# Allegro board 8880F5-0827_6.brd (continued)
## Routing (per net, layer and track width the routed paths; a pad name or vN(x,y) marks a point on that pad's centre or on a via; arc(x,y) is an arc through that point) (continued)
S1_4TX_100DCH005-: length 78.1
  TOP w0.086: SITE1.138 237.68,251.23 237.6,251.31 236.07,251.31 232.55,254.84 226.27,254.84 v1(225.81,254.39)
  L28_SIGNAL w0.071: v1(164.91,257.03) 164.91,257.43 164.98,257.5 165.85,257.5 168.5,254.86 225.74,254.86 225.81,254.79 v1(225.81,254.39)
S1_4TX_100DCH006+: length 69.7
  TOP w0.086: SITE1.140 237.68,250.43 237.6,250.35 233.96,250.35 232.03,252.28 229.02,252.28 v1(228.57,252.73)
  L30_SIGNAL w0.071: v1(228.57,252.73) 228.57,252.33 228.49,252.26 211.3,252.26 210.41,253.16 184.12,253.16 180.07,249.12 180.07,244.35 179.71,243.98 178.57,243.98 178.5,244.05 v1(178.5,244.46)
S1_4TX_100DCH006-: length 69.7
  TOP w0.086: v1(228.57,251.59) 229.02,252.04 231.93,252.04 233.86,250.11 237.6,250.11 237.68,250.03 SITE1.141
  L30_SIGNAL w0.071: v1(228.57,251.59) 228.57,251.99 228.49,252.06 211.22,252.06 210.32,252.96 184.2,252.96 180.27,249.04 180.27,244.27 179.79,243.78 178.57,243.78 178.5,243.71 v1(178.5,243.31)
S1_4TX_100DCH007+: length 81
  TOP w0.086: SITE1.142 237.68,249.63 237.6,249.55 233.04,249.55 232.4,250.19 226.27,250.19 v1(225.81,250.64)
  L28_SIGNAL w0.071: v1(225.81,250.64) 225.81,250.24 225.74,250.16 224.7,250.16 221.45,253.41 182.24,253.41 174.07,245.23 167.67,245.23 166.42,243.98 164.98,243.98 164.91,244.05 v1(164.91,244.46)
S1_4TX_100DCH007-: length 81
  TOP w0.086: SITE1.143 237.68,249.23 237.6,249.31 232.94,249.31 232.3,249.95 226.27,249.95 v1(225.81,249.49)
  L28_SIGNAL w0.071: v1(164.91,243.31) 164.91,243.71 164.98,243.78 166.5,243.78 167.75,245.04 174.15,245.04 182.33,253.21 221.37,253.21 224.62,249.97 225.74,249.97 225.81,249.9 v1(225.81,249.49)
S1_AUX_100DCH002+:
  vias: v1(183.65,132.33)
S1_AUX_100DCH002-:
  vias: v1(181.11,132.33)
S1_AUXCH+: length 3.6
  TOP w0.203: v2(250.6,236.57) 250.23,236.2 SITE1.21
S1_AUXCH-: length 3.6
  TOP w0.203: v2(249.46,236.57) 249.83,236.2 SITE1.20
S1_AVDD11_RX: length 8.4
  TOP w0.231: 254.67,227.85 254.23,228.29 SITE1.31
  TOP w0.508: v1(256.77,225.75) 254.67,227.85
  vias: v1(158.96,294) v1(158.96,292.1) v1(256.77,223.71)
S1_AVDD11_XTAL: length 8.8
  TOP w0.231: 252.87,261.45 252.87,261.11 253.03,260.95 SITE1.105
  TOP w0.381: v1(253.72,264.54) 253.72,264.44 252.87,263.59 252.87,261.45
  vias: v1(201.21,277.5) v1(201.21,275.59) v1(253.72,266.58)
S1_AVDD18_RX: length 7.7
  TOP w0.231: SITE1.25 251.83,230.56 251.28,230.01
  TOP w0.508: v1(251.06,225.75) 251.06,228.68 251.28,228.9 251.28,230.01
  vias: v1(168.7,294) v1(168.7,292.1) v1(251.06,223.71)
S1_DCH041: length 2.2
  TOP w0.231: v1(237.23,243.03) 237.43,242.83 SITE1.159
S1_DCH042: length 3.7
  TOP w0.231: v1(235.83,243.03) 236.43,242.43 SITE1.160
S1_DCH043: length 5.3
  TOP w0.231: v1(234.44,243.03) 235.44,242.03 SITE1.161
S1_DCH044: length 2.2
  TOP w0.231: v1(237.23,241.03) 237.43,241.23 SITE1.163
S1_DCH045: length 5.4
  TOP w0.231: SITE1.164 243.35,240.83 v1(244.35,239.83)
S1_DCH046: length 3.9
  TOP w0.231: SITE1.165 242.35,240.43 v1(242.95,239.83)
S1_DCH047: length 2.3
  TOP w0.231: v1(241.56,239.83) 241.36,240.03 SITE1.166
S1_DCH048:
  vias: v1(229.05,276.97)
S1_DCH049:
  vias: v1(229.05,271.67)
S1_DPS_F_001:
  vias: v1(101.29,249.52) v1(101.29,247.61) v1(182.11,131.06) v1(221.73,227.84)
S1_DPS_F_002: length 10.1
  TOP w0.231: SITE1.3 243.03,230.86 241.72,229.55 240.65,229.55
  TOP w0.508: v1(237.98,225.75) 237.98,226.88 240.65,229.55
  vias: v1(185.21,294) v1(185.21,292.1) v1(236.32,222.9) v1(237.98,223.71)
S1_DPS_F_003: length 63.1
  TOP w0.231: 249.28,228.85 248.63,229.5 SITE1.17 ; SITE1.63 264.9,243.23 265.2,242.93 ; 234.63,241.63 SITE1.162 ; 267.84,245.53 266.94,246.43 SITE1.71 ; 251.69,261.16 251.69,260.65 252.23,260.11 SITE1.107 ; SITE1.37 256.63,231.59 258.57,229.66 259.73,229.66 ; SITE1.145 233.08,248.43 232.83,248.18
  TOP w0.381: v1(251.94,264.54) 251.69,264.28 251.69,261.16
  TOP w0.508: v1(271.22,241.37) 268.11,241.37 266.8,242.67 265.45,242.67 265.2,242.93 ; 234.63,241.63 234.37,241.63 232.59,243.41 v1(231.44,243.41) ; v1(249.28,225.75) 249.28,228.85 ; v1(271.22,243.91) 269.46,243.91 267.84,245.53 ; v1(231.44,247.93) 232.58,247.93 232.83,248.18 ; v1(262.36,225.75) 262.36,227.02 259.73,229.66
  vias: v1(114.29,230.12) v1(175.47,294) v1(175.47,292.1) v1(229.4,247.93) v1(229.4,243.41) v1(249.28,223.71) v1(251.54,252.61) v1(251.94,266.58) v1(262.36,223.71) v1(273.27,243.91) v1(273.27,243.91) v1(273.27,241.37) v1(273.27,241.37)
S1_DPS_F_006: length 9.6
  TOP w0.231: 268.55,246.19 267.92,246.83 SITE1.72
  TOP w0.508: 268.55,246.19 269.56,245.18 v1(271.22,245.18)
  vias: v1(168.7,277.5) v1(168.7,275.59) v1(259,246.67) v1(273.27,245.18) v1(273.27,245.18)
S1_DPS_F_007: length 19.1
  TOP w0.231: 264.37,249.01 264.15,249.23 SITE1.78 ; SITE1.97 256.23,260.71 259.65,264.13 v1(259.65,264.54)
  TOP w0.508: v1(271.22,249.5) 270.8,249.5 270.31,249.01 264.37,249.01
  BOTTOM w0.119: CC27.1 v1(273.27,249.5)
  vias: v1(185.21,277.5) v1(185.21,275.59) v1(259.65,266.58)
S1_DPS_F_009: length 8.8
  TOP w0.231: SITE1.106 252.63,260.53 252.26,260.9 252.26,261.12
  TOP w0.381: 252.26,261.12 252.26,263.82 252.83,264.39 v1(252.83,264.54)
  vias: v1(201.21,294) v1(201.21,292.1) v1(252.83,266.58) v1(253.61,267.66)
S1_DPS_F_010: length 8.6
  TOP w0.231: 251.05,261.13 251.05,260.57 250.63,260.15 SITE1.111
  TOP w0.381: 251.05,261.13 v1(251.05,264.54)
  vias: v1(191.48,294) v1(191.48,292.1) v1(250.34,253.59) v1(251.05,266.58)
S1_DPS_F_011: length 17.6
  TOP w0.231: SITE1.119 247.43,257.79 247.64,258.01 ; v1(231.44,253.69) 232.01,253.69 234.87,250.83 SITE1.139
  TOP w0.508: 247.64,258.01 247.64,264.47 v1(247.57,264.54)
  vias: v1(175.47,277.5) v1(175.47,275.59) v1(229.4,253.69) v1(247.57,266.58)
S1_DPS_F_012: length 8
  TOP w0.231: 232.2,248.83 SITE1.144
  TOP w0.508: v1(231.44,249.2) 231.81,248.83 232.2,248.83
  vias: v1(158.96,277.5) v1(158.96,275.59) v1(229.4,249.2)
S1_DPS_F_013:
  vias: v1(89.53,207.41) v1(89.77,221.18) v1(96.02,215.5) v1(96.12,229.1) v1(96.42,249.57) v1(96.42,247.66) v1(97.27,241.05) v1(97.27,233.43) v1(98.56,215.5) v1(98.66,229.1) v1(101.1,215.5) v1(101.1,203.31) v1(101.2,229.1) v1(101.2,216.91) v1(103.64,203.31) v1(104.64,215.5) v1(104.74,229.1) v1(104.75,216.86) v1(122.12,241.1) v1(126.75,233.43) v1(126.75,225.81)
S1_ISP00+: length 59.5
  TOP w0.086: SITE1.73 263.98,247.23 264.06,247.31 269.31,247.31 270.29,246.33 273.35,246.33 v1(273.81,245.88)
  L30_SIGNAL w0.071: v1(273.81,245.88) 273.81,246.28 273.74,246.35 269.7,246.35 262.91,253.14 262.91,262.67 265.64,265.4 265.64,266.73 267.67,268.76 267.67,271.97 265.91,273.73 265.91,275.4 266.7,276.2 269.97,276.2 270.04,276.27 v1(270.04,277.62)
  BOTTOM w0.119: v1(270.04,277.62) K43.7
S1_ISP00-: length 58.9
  TOP w0.086: v1(273.81,247.02) 273.35,246.57 270.39,246.57 269.41,247.55 264.06,247.55 263.98,247.63 SITE1.74
  L30_SIGNAL w0.071: v1(273.81,247.02) 273.81,246.62 273.74,246.55 269.78,246.55 263.11,253.23 263.11,262.59 265.84,265.32 265.84,266.65 267.87,268.68 267.87,272.05 266.1,273.81 266.1,275.32 266.78,276 269.97,276 270.04,275.93 v1(270.04,274.58)
  BOTTOM w0.119: v1(270.04,274.58) K43.2
S1_ISP14+: length 65.2
  TOP w0.086: v1(251.93,269.9) 251.48,269.45 251.48,267.92 250.15,266.59 250.15,257.86 250.23,257.78 SITE1.112
  L28_SIGNAL w0.071: v1(265.64,280.1) 265.64,276.27 265.72,276.2 274.89,276.2 276.73,278.03 276.73,280.72 275.32,282.12 262.08,282.12 251.46,271.5 251.46,269.97 251.53,269.9 v1(251.93,269.9)
S1_ISP14-: length 66.2
  TOP w0.086: v1(250.79,269.9) 251.24,269.45 251.24,268.02 249.91,266.69 249.91,257.86 249.83,257.78 SITE1.113
  L28_SIGNAL w0.071: v1(250.79,269.9) 251.19,269.9 251.26,269.97 251.26,271.58 262,282.32 275.4,282.32 276.93,280.8 276.93,277.95 274.97,276 265.72,276 265.64,275.93 v1(265.64,272.1)
S1_ISP_1LOCK:
  vias: v1(229.91,245.39)
S1_M_DPS_F_001: length 45.2
  TOP w0.231: SITE1.147 233.7,247.63 233.24,247.18 ; 260.57,230.37 258.54,230.37 257.43,231.49 SITE1.39 ; 250.63,230.54 SITE1.22 ; 266.49,243.63 SITE1.64 ; SITE1.104 253.43,263.21
  TOP w0.381: v1(254.61,264.54) 254.61,264.39 253.43,263.21
  TOP w0.508: 260.57,230.37 263.63,227.31 v1(263.63,225.75) ; v1(231.44,246.66) 232.72,246.66 233.24,247.18 ; v1(250.17,225.75) 250.17,228.96 250.38,229.17 250.38,230.28 250.63,230.54 ; v1(271.22,242.64) 268.48,242.64 267.49,243.63 266.49,243.63
  vias: v1(118.32,292.74) v1(118.32,290.83) v1(229.4,246.66) v1(250.17,223.71) v1(254.61,266.58) v1(263.63,223.71) v1(273.27,242.64) v1(273.27,242.64)
S1_PS9G_DCH001: length 3.7
  TOP w0.231: v1(249.63,229.63) 249.03,230.23 SITE1.18
S1_PS9G_DCH002: length 2.2
  TOP w0.231: v1(249.63,231.03) 249.43,231.23 SITE1.19
S1_PS9G_DCH003: length 2.2
  TOP w0.231: SITE1.24 251.43,231.23 v1(251.23,231.03)
S1_PS9G_DCH004: length 2.2
  TOP w0.231: SITE1.40 257.83,235.03 v1(257.63,235.23)
S1_PS9G_DCH005: length 2.2
  TOP w0.231: SITE1.45 264.23,236.03 v1(264.43,235.83)
S1_PS9G_DCH006: length 3.7
  TOP w0.231: v1(265.83,235.83) 265.23,236.43 SITE1.46
S1_PS9G_DCH007: length 5.3
  TOP w0.231: v1(267.23,235.83) 266.22,236.83 SITE1.47
S1_PS9G_DCH009: length 2.2
  TOP w0.231: v1(264.43,237.43) 264.23,237.63 SITE1.49
S1_PS9G_DCH010: length 3.7
  TOP w0.231: v1(265.83,237.43) 265.23,238.03 SITE1.50
S1_PS9G_DCH011: length 5.3
  TOP w0.231: v1(267.23,237.43) 266.22,238.43 SITE1.51
S1_PS9G_DCH014: length 3.7
  TOP w0.231: v1(265.83,239.03) 265.23,239.63 SITE1.54
S1_PS9G_DCH015: length 5.3
  TOP w0.231: v1(267.23,239.03) 266.22,240.03 SITE1.55
S1_PS9G_DCH022: length 5.3
  TOP w0.231: v1(267.23,245.03) 267.05,245.03 266.05,244.03 SITE1.65
S1_PS9G_DCH023: length 2.5
  TOP w0.231: SITE1.66 264.03,244.43 264.43,244.83 v1(264.43,245.03)
S1_PS9G_DCH027: length 3.9
  TOP w0.231: SITE1.70 264.83,246.03 v1(265.83,245.03)
S1_PS9G_DCH028: length 2.3
  TOP w0.231: SITE1.77 260.6,248.83 v1(260.23,248.46)
S1_PS9G_DCH029: length 2.2
  TOP w0.119: SITE1.118 v1(247.83,253.92)
S1_PS9G_DCH030: length 9.2
  TOP w0.231: SITE1.148 237.62,247.23 237.3,246.91 234.16,246.91 232.63,245.39 v1(230.91,245.39)
S1_PS9G_DCH035: length 5.3
  TOP w0.231: SITE1.153 235.44,245.23 v1(234.44,246.23)
S1_PS9G_DCH036: length 2.2
  TOP w0.231: SITE1.154 241.23,244.83 v1(241.43,245.03)
S1_PS9G_DCH037: length 2.2
  TOP w0.231: v1(237.23,244.63) 237.43,244.43 SITE1.155
S1_PS9G_DCH038: length 3.7
  TOP w0.231: SITE1.156 236.43,244.03 v1(235.83,244.63)
S1_PS9G_DCH039: length 5.3
  TOP w0.231: SITE1.157 235.44,243.63 v1(234.44,244.63)
S1_PS9G_DCH040: length 2.2
  TOP w0.231: SITE1.158 241.23,243.23 v1(241.43,243.43)
S1_RLY_001:
  vias: v1(330.51,288.86) v1(343.98,288.86)
S1_RLY_003:
  vias: v1(293.31,280.1) v1(317.05,288.86)
S1_RLY_005:
  vias: v1(290.64,288.86) v1(303.84,288.86)
S1_RLY_007:
  vias: v1(277.17,288.86)
S1_RLY_008:
  vias: v1(250.5,288.86) v1(263.71,288.86)
S1_RLY_016:
  vias: v1(184.47,264.1) v1(244.8,296.61)
S1_RLY_018:
  vias: v1(232.25,276.97)
S1_RLY_021:
  vias: v1(167.7,264.1) v1(200.98,264.1)
S1_RLY_022:
  vias: v1(184.47,236.67) v1(201.23,236.67)
S1_RLY_023:
  vias: v1(167.7,222.95)
S1_RLY_025:
  vias: v1(184.47,250.38) v1(201.23,250.38)
S1_RLY_026:
  vias: v1(167.7,236.67)
S1_RLY_030:
  vias: v1(167.7,250.38)
S1_RLY_043:
  vias: v1(273.24,280.1)
S1_SCAN_DCH008: length 2.2
  TOP w0.231: SITE1.48 260.43,237.23 v1(260.23,237.03)
S1_SCAN_DCH012: length 2.2
  TOP w0.231: v1(260.23,238.63) 260.43,238.83 SITE1.52
S1_SCAN_DCH013: length 2.2
  TOP w0.231: SITE1.53 264.23,239.23 v1(264.43,239.03)
S1_SCAN_DCH016: length 2.2
  TOP w0.231: v1(260.23,240.23) 260.43,240.43 SITE1.56
S1_SCAN_DCH017: length 2.2
  TOP w0.231: SITE1.57 264.23,240.83 v1(264.43,240.63)
S1_SCAN_DCH018: length 3.7
  TOP w0.231: SITE1.58 265.23,241.23 v1(265.83,240.63)
S1_SCAN_DCH019: length 5.3
  TOP w0.231: v1(267.23,240.63) 266.22,241.63 SITE1.59
S1_SCAN_DCH020: length 2.2
  TOP w0.231: v1(260.23,241.83) 260.43,242.03 SITE1.60
S1_SCAN_DCH021: length 2.2
  TOP w0.231: v1(264.43,242.23) 264.23,242.43 SITE1.61
S1_SCAN_DCH024: length 2.2
  TOP w0.231: SITE1.67 260.43,244.83 v1(260.23,244.63)
S1_SCAN_DCH025: length 3.7
  TOP w0.231: SITE1.68 259.43,245.23 v1(258.83,244.63)
S1_SCAN_DCH026: length 5.3
  TOP w0.231: SITE1.69 258.44,245.63 v1(257.44,244.63)
S1_SCAN_DCH031: length 3.7
  TOP w0.231: v1(242.83,247.43) 242.23,246.83 SITE1.149
S1_SCAN_DCH032: length 5.3
  TOP w0.231: SITE1.150 243.22,246.43 v1(244.22,247.43)
S1_SCAN_DCH033: length 2.2
  TOP w0.231: v1(237.23,246.23) 237.43,246.03 SITE1.151
S1_SCAN_DCH034: length 3.7
  TOP w0.231: v1(235.83,246.23) 236.43,245.63 SITE1.152
S1_SPI_1_CSN:
  vias: v1(104.64,203.31)
S1_SPI_1_SCK:
  vias: v1(99.56,215.5)
S1_SPI_1_SDI:
  vias: v1(123.44,216.92)
S1_SPI_1_SDO:
  vias: v1(123.69,224.54)
S1_SPI_2_CSN:
  vias: v1(103.75,216.86)
S1_SPI_2_SCK:
  vias: v1(99.66,229.1)
S1_SPI_2_SDI:
  vias: v1(128.01,216.92)
S1_SPI_2_SDO:
  vias: v1(127.75,224.54)
S1_SPI_11_SDI:
  vias: v1(102.1,203.31) v1(122.44,216.92)
S1_SPI_11_SDO:
  vias: v1(97.02,215.5) v1(122.69,224.54)
S1_SPI_22_SDI:
  vias: v1(102.2,216.91) v1(127.01,216.92)
S1_SPI_22_SDO:
  vias: v1(97.12,229.1) v1(126.75,224.54)
S1_SPI_CSN: length 2.2
  TOP w0.231: v1(259.23,231.03) 259.03,231.23 SITE1.43
S1_SPI_SCK: length 2.2
  TOP w0.231: v1(258.83,235.23) 258.63,235.03 SITE1.42
S1_SPI_SDI: length 3.7
  TOP w0.231: SITE1.44 259.43,236.03 v1(258.83,236.63)
S1_SPI_SDO: length 3.7
  TOP w0.231: SITE1.41 258.23,236.03 v1(257.63,236.63)
S1_XTAL_IN: length 2.5
  TOP w0.119: SITE1.109 251.43,258.31 v1(251.63,258.51)
  vias: v1(226.85,271.67)
S1_XTAL_OUT: length 3.7
  TOP w0.231: v1(251.63,259.63) 251.03,259.03 SITE1.110
  vias: v1(226.85,276.97)
S2_1AUX+:
  vias: v1(301.73,229.11)
S2_1AUX-:
  vias: v1(298.45,229.11)
S2_1TX_100DCH001+: length 80.3
  L32_SIGNAL w0.071: v1(388.49,259.59) 388.49,260.94 388.56,261.01 415.5,261.01 419.64,265.15 419.64,274.05 414.56,279.13 414.56,301.37 415.51,302.31 416.29,302.31 416.92,301.68 416.92,299.98 416.85,299.91 v1(416.45,299.91)
  BOTTOM w0.119: v1(388.49,259.59) UNK2K43.6
S2_1TX_100DCH001-: length 80.6
  L32_SIGNAL w0.071: v1(388.49,262.63) 388.49,261.28 388.56,261.21 415.42,261.21 419.44,265.23 419.44,273.97 414.37,279.05 414.37,301.46 415.42,302.51 416.37,302.51 417.12,301.76 417.12,299.98 417.19,299.91 v1(417.6,299.91)
  BOTTOM w0.119: v1(388.49,262.63) UNK2K43.3
S2_1TX_100DCH002+: length 124.4
  TOP w0.086: SITE2.75 343.98,248.03 344.06,248.11 357.07,248.11 v1(357.52,247.66)
  L32_SIGNAL w0.071: v1(416.45,286.32) 416.85,286.32 416.92,286.39 416.92,287.72 417.48,288.28 419.21,288.28 422.39,285.1 422.39,251.8 418.72,248.13 357.59,248.13 357.52,248.06 v1(357.52,247.66)
S2_1TX_100DCH002-: length 123.4
  TOP w0.086: v1(357.52,248.8) 357.07,248.35 344.06,248.35 343.98,248.43 SITE2.76
  L32_SIGNAL w0.071: v1(357.52,248.8) 357.52,248.4 357.59,248.33 418.64,248.33 422.19,251.88 422.19,285.01 419.12,288.08 417.56,288.08 417.12,287.64 417.12,286.39 417.19,286.32 v1(417.6,286.32)
S2_1TX_100DCH003+: length 41.1
  TOP w0.086: SITE2.79 343.98,249.63 344.06,249.71 349.05,249.71 349.94,250.59 353.35,250.59 v1(353.81,250.14)
  L30_SIGNAL w0.071: v1(375.3,251.9) 375.71,251.9 375.78,251.83 375.78,250.79 375.25,250.27 357.27,250.27 354.83,252.72 353.21,252.72 352.61,252.12 352.61,251.03 353.02,250.61 353.73,250.61 353.81,250.54 v1(353.81,250.14)
S2_1TX_100DCH003-: length 40.8
  TOP w0.086: v1(353.81,251.28) 353.35,250.83 349.84,250.83 348.95,249.95 344.06,249.95 343.98,250.03 SITE2.80
  L30_SIGNAL w0.071: v1(353.81,251.28) 353.81,250.88 353.73,250.81 353.1,250.81 352.81,251.11 352.81,252.03 353.29,252.52 354.74,252.52 357.19,250.07 375.34,250.07 375.97,250.71 375.97,251.83 376.05,251.9 v1(376.45,251.9)
S2_1TX_100DCH004+: length 42
  TOP w0.086: v1(357.52,252.08) 357.07,252.53 350.02,252.53 347.99,250.51 344.06,250.51 343.98,250.43 SITE2.81
  L28_SIGNAL w0.071: v1(357.52,252.08) 357.52,252.48 357.59,252.55 359.25,252.55 367.43,244.37 371.06,244.37 375.78,239.65 375.78,238.39 375.71,238.32 v1(375.3,238.32)
S2_1TX_100DCH004-: length 42.4
  TOP w0.086: v1(357.52,253.22) 357.07,252.77 349.92,252.77 347.89,250.75 344.06,250.75 343.98,250.83 SITE2.82
  L28_SIGNAL w0.071: v1(357.52,253.22) 357.52,252.82 357.59,252.75 359.33,252.75 367.52,244.57 371.14,244.57 375.97,239.73 375.97,238.39 376.05,238.32 v1(376.45,238.32)
S2_1TX_100DCH005+: length 74.1
  TOP w0.086: v1(353.81,253.77) 353.35,254.22 349.53,254.22 346.61,251.31 344.06,251.31 343.98,251.23 SITE2.83
  L30_SIGNAL w0.071: v1(353.81,253.77) 353.81,254.17 353.73,254.24 352.63,254.24 352.2,254.68 352.2,255.63 352.82,256.26 355.08,256.26 356.36,254.98 362.51,254.98 368.35,260.82 376.09,260.82 381.51,266.24 401.96,266.24 402.95,267.24 402.95,268.09 402.88,268.16 v1(402.48,268.16)
S2_1TX_100DCH005-: length 73.7
  TOP w0.086: SITE2.84 343.98,251.63 344.06,251.55 346.51,251.55 349.43,254.46 353.35,254.46 v1(353.81,254.92)
  L30_SIGNAL w0.071: v1(353.81,254.92) 353.81,254.51 353.73,254.44 352.71,254.44 352.4,254.76 352.4,255.55 352.91,256.06 355,256.06 356.27,254.78 362.59,254.78 368.43,260.62 376.17,260.62 381.6,266.04 402.04,266.04 403.15,267.15 403.15,268.09 403.22,268.16 v1(403.63,268.16)
S2_1TX_100DCH006+: length 69.9
  TOP w0.086: v1(357.52,256.03) 357.07,256.49 350.12,256.49 345.74,252.11 344.06,252.11 343.98,252.03 SITE2.85
  L28_SIGNAL w0.071: v1(357.52,256.03) 357.52,256.44 357.59,256.51 363.12,256.51 369.79,249.84 379.87,249.84 386.04,256.02 402.36,256.02 402.95,255.43 402.95,254.64 402.88,254.57 v1(402.48,254.57)
S2_1TX_100DCH006-: length 70.3
  TOP w0.086: SITE2.86 343.98,252.43 344.06,252.35 345.64,252.35 350.02,256.73 357.07,256.73 v1(357.52,257.18)
  L28_SIGNAL w0.071: v1(403.63,254.57) 403.22,254.57 403.15,254.64 403.15,255.51 402.45,256.22 385.96,256.22 379.78,250.04 369.87,250.04 363.21,256.7 357.59,256.7 357.52,256.78 v1(357.52,257.18)
S2_1TX_100DCH007+: length 45.6
  TOP w0.086: SITE2.87 343.98,252.83 344.06,252.91 344.96,252.91 350.67,258.62 353.35,258.62 v1(353.81,258.17)
  L30_SIGNAL w0.071: v1(353.81,258.17) 353.81,258.57 353.73,258.64 352.88,258.64 352.52,258.29 352.52,257.63 352.95,257.2 355.09,257.2 360.43,262.54 371.7,262.54 375.78,266.62 375.78,267.83 375.71,267.91 v1(375.3,267.91)
S2_1TX_100DCH007-: length 46.6
  TOP w0.086: v1(353.81,259.31) 353.35,258.86 350.57,258.86 344.86,253.15 344.06,253.15 343.98,253.23 SITE2.88
  L30_SIGNAL w0.071: v1(353.81,259.31) 353.81,258.91 353.73,258.84 352.8,258.84 352.33,258.37 352.33,257.54 352.87,257 355.17,257 360.52,262.34 371.78,262.34 375.97,266.54 375.97,267.83 376.05,267.91 v1(376.45,267.91)
S2_2AUX+:
  vias: v1(290.31,132.08) v1(290.31,130.81) v1(300.73,229.11) v1(300.73,227.84)
S2_2AUX-:
  vias: v1(286.77,130.81) v1(287.77,132.08) v1(299.45,229.11) v1(299.45,227.84)
S2_2TX_100DCH001+: length 57.4
  TOP w0.086: SITE2.89 339.43,257.78 339.35,257.86 339.35,258.44 341.74,260.83 343.95,260.83 345.31,262.18 345.31,265.07 345.87,265.63 345.87,268.15 v1(346.32,268.6)
  L28_SIGNAL w0.071: v1(375.3,254.32) 375.71,254.32 375.78,254.39 375.78,255.75 372.34,259.18 364.47,259.18 352.23,271.42 347.23,271.42 345.85,270.04 345.85,268.68 345.92,268.6 v1(346.32,268.6)
S2_2TX_100DCH001-: length 58.1
  TOP w0.086: v1(345.18,268.6) 345.63,268.15 345.63,265.73 345.07,265.17 345.07,262.28 343.85,261.07 341.64,261.07 339.11,258.53 339.11,257.86 339.03,257.78 SITE2.90
  L28_SIGNAL w0.071: v1(376.45,254.32) 376.05,254.32 375.97,254.39 375.97,255.83 372.42,259.38 364.55,259.38 352.31,271.62 347.15,271.62 345.65,270.13 345.65,268.68 345.58,268.6 v1(345.18,268.6)
S2_2TX_100DCH002+: length 98.3
  TOP w0.086: v1(344.67,266.34) 344.22,265.88 344.22,262.77 343.16,261.72 341.27,261.72 338.55,259 338.55,257.86 338.63,257.78 SITE2.91
  L30_SIGNAL w0.071: v1(344.67,266.34) 344.27,266.34 344.2,266.26 344.2,265.76 344.35,265.61 345.26,265.61 345.81,266.16 345.81,266.9 350.57,271.66 382.97,271.66 386.56,268.06 397.21,268.06 400.94,271.8 407.12,271.8 413.45,265.47 415.22,265.47 416.67,266.92 416.67,268.09 416.6,268.16 v1(416.2,268.16)
S2_2TX_100DCH002-: length 98.9
  TOP w0.086: v1(343.52,266.34) 343.98,265.88 343.98,262.87 343.07,261.96 341.17,261.96 338.31,259.1 338.31,257.86 338.23,257.78 SITE2.92
  L30_SIGNAL w0.071: v1(417.34,268.16) 416.94,268.16 416.87,268.09 416.87,266.84 415.31,265.27 413.36,265.27 407.04,271.6 401.02,271.6 397.29,267.87 386.48,267.87 382.89,271.46 350.65,271.46 346.01,266.82 346.01,266.08 345.34,265.41 344.27,265.41 344,265.68 344,266.26 343.93,266.34 v1(343.52,266.34)
S2_2TX_100DCH003+: length 98
  TOP w0.086: v1(343.07,268.6) 342.61,268.15 342.61,264.3 337.75,259.44 337.75,257.86 337.83,257.78 SITE2.93
  L32_SIGNAL w0.071: v1(343.07,268.6) 342.66,268.6 342.59,268.68 342.59,269.68 343.28,270.37 359.86,270.37 374.3,255.93 416.02,255.93 416.67,255.28 416.67,254.64 416.6,254.57 v1(416.2,254.57)
S2_2TX_100DCH003-: length 98.6
  TOP w0.086: SITE2.94 337.43,257.78 337.51,257.86 337.51,259.54 342.37,264.4 342.37,268.15 v1(341.92,268.6)
  L32_SIGNAL w0.071: v1(417.34,254.57) 416.94,254.57 416.87,254.64 416.87,255.37 416.1,256.13 374.38,256.13 359.94,270.57 343.2,270.57 342.39,269.76 342.39,268.68 342.32,268.6 v1(341.92,268.6)
S2_2TX_100DCH004+: length 121
  TOP w0.086: SITE2.95 337.03,257.78 336.95,257.86 336.95,259.72 340.9,263.67 340.9,266.64 v1(341.36,267.09)
  L28_SIGNAL w0.071: v1(341.36,267.09) 340.96,267.09 340.88,267.02 340.88,262.22 346.24,256.87 354.86,256.87 357.17,259.17 362.97,259.17 371.17,250.97 378.8,250.97 384.26,256.42 384.26,265.28 387.1,268.12 395.55,268.12 405.05,277.61 411.88,277.61 416.92,282.65 416.92,284.09 416.85,284.16 v1(416.45,284.16)
S2_2TX_100DCH004-: length 121.6
  TOP w0.086: SITE2.96 336.63,257.78 336.71,257.86 336.71,259.82 340.67,263.77 340.67,266.64 v1(340.21,267.09)
  L28_SIGNAL w0.071: v1(340.21,267.09) 340.62,267.09 340.69,267.02 340.69,262.14 346.16,256.67 354.95,256.67 357.25,258.97 362.89,258.97 371.09,250.77 378.89,250.77 384.45,256.34 384.45,265.2 387.18,267.92 395.64,267.92 405.13,277.41 411.96,277.41 417.12,282.57 417.12,284.09 417.19,284.16 v1(417.6,284.16)
S2_2TX_100DCH005+: length 101.8
  TOP w0.086: SITE2.98 335.83,257.78 335.75,257.86 335.75,261.37 338.54,264.15 338.54,268.38 v1(338.99,268.83)
  L32_SIGNAL w0.071: v1(338.99,268.83) 338.59,268.83 338.52,268.9 338.52,270.71 339.45,271.65 363.24,271.65 368.58,266.31 406.61,266.31 412.74,272.44 416.17,272.44 416.92,271.69 416.92,270.65 416.85,270.57 v1(416.45,270.57)
S2_2TX_100DCH005-: length 102.4
  TOP w0.086: SITE2.99 335.43,257.78 335.51,257.86 335.51,261.47 338.3,264.25 338.3,268.38 v1(337.84,268.83)
  L32_SIGNAL w0.071: v1(337.84,268.83) 338.25,268.83 338.32,268.9 338.32,270.79 339.37,271.84 363.33,271.84 368.66,266.51 406.53,266.51 412.66,272.64 416.25,272.64 417.12,271.77 417.12,270.65 417.19,270.57 v1(417.6,270.57)
S2_2TX_100DCH006+: length 100.7
  TOP w0.086: v1(337.1,271.07) 336.65,270.62 336.65,268.9 337.04,268.51 337.04,263.68 334.95,261.59 334.95,257.86 335.03,257.78 SITE2.100
  L28_SIGNAL w0.071: v1(337.1,271.07) 336.7,271.07 336.63,271 336.63,270.66 336.94,270.35 337.83,270.35 342.54,275.06 352.38,275.06 364.74,262.69 377.78,262.69 390.14,275.06 395.62,275.06 402.95,282.39 402.95,283.84 402.88,283.91 v1(402.48,283.91)
S2_2TX_100DCH006-: length 101.3
  TOP w0.086: v1(335.96,271.07) 336.41,270.62 336.41,268.8 336.8,268.41 336.8,263.78 334.71,261.69 334.71,257.86 334.63,257.78 SITE2.101
  L28_SIGNAL w0.071: v1(403.63,283.91) 403.22,283.91 403.15,283.84 403.15,282.31 395.7,274.86 390.23,274.86 377.86,262.49 364.66,262.49 352.29,274.86 342.62,274.86 337.91,270.15 336.86,270.15 336.43,270.58 336.43,271 336.36,271.07 v1(335.96,271.07)
S2_2TX_100DCH007+: length 92.2
  TOP w0.086: SITE2.102 334.23,257.78 334.15,257.86 334.15,261.95 335.98,263.78 335.98,268.13 334.78,269.33 v1(334.78,269.97)
  L32_SIGNAL w0.071: v1(334.78,269.97) 334.5,269.69 334.4,269.69 333.58,270.51 333.58,272.53 335.88,274.84 399.72,274.84 402.95,271.6 402.95,270.39 402.88,270.32 v1(402.48,270.32)
S2_2TX_100DCH007-: length 92.8
  TOP w0.086: v1(333.98,269.17) 334.61,269.17 335.74,268.03 335.74,263.88 333.91,262.05 333.91,257.86 333.83,257.78 SITE2.103
  L32_SIGNAL w0.071: v1(403.63,270.32) 403.22,270.32 403.15,270.39 403.15,271.69 399.81,275.04 335.8,275.04 333.38,272.62 333.38,270.43 334.26,269.55 334.26,269.45 v1(333.98,269.17)
S2_3TX_100DCH002+: length 85.9
  TOP w0.086: SITE2.114 329.43,257.78 329.35,257.86 329.35,267.66 v1(329.8,268.11)
  L30_SIGNAL w0.071: v1(389.02,286.32) 389.42,286.32 389.49,286.39 389.49,287.64 388.77,288.36 386.38,288.36 373.56,275.54 332.2,275.54 329.33,272.67 329.33,268.18 329.4,268.11 v1(329.8,268.11)
S2_3TX_100DCH002-: length 86.6
  TOP w0.086: v1(328.66,268.11) 329.11,267.66 329.11,257.86 329.03,257.78 SITE2.115
  L30_SIGNAL w0.071: v1(328.66,268.11) 329.06,268.11 329.13,268.18 329.13,272.75 332.12,275.74 373.48,275.74 386.3,288.56 388.85,288.56 389.69,287.72 389.69,286.39 389.76,286.32 v1(390.16,286.32)
S2_3TX_100DCH003+: length 105.8
  TOP w0.086: SITE2.116 328.63,257.78 328.55,257.86 328.55,266.82 326.96,268.41 326.96,270.72 v1(327.41,271.17)
  L28_SIGNAL w0.071: v1(327.41,271.17) 327.01,271.17 326.94,271.1 326.94,270.72 326.58,270.36 325.43,270.36 324.98,270.81 324.98,273.27 328.07,276.36 352.72,276.36 365.19,263.89 377.3,263.89 388.13,274.72 388.13,281.59 389.49,282.95 389.49,283.84 389.42,283.91 v1(389.02,283.91)
S2_3TX_100DCH003-: length 105.2
  TOP w0.086: SITE2.117 328.23,257.78 328.31,257.86 328.31,266.72 326.72,268.31 326.72,270.72 v1(326.26,271.17)
  L28_SIGNAL w0.071: v1(326.26,271.17) 326.67,271.17 326.74,271.1 326.74,270.81 326.49,270.56 325.51,270.56 325.18,270.89 325.18,273.18 328.15,276.16 352.64,276.16 365.1,263.69 377.38,263.69 388.33,274.64 388.33,281.51 389.69,282.87 389.69,283.84 389.76,283.91 v1(390.16,283.91)
S2_3TX_100DCH004+: length 121.8
  TOP w0.086: v1(325.36,269.08) 324.91,268.63 324.91,266.21 326.95,264.17 326.95,257.86 327.03,257.78 SITE2.120
  L30_SIGNAL w0.071: v1(325.36,269.08) 324.96,269.08 324.89,269.16 324.89,273.22 331.17,279.49 354.08,279.49 356.23,277.35 370.69,277.35 373.78,280.44 373.78,288.32 376.64,291.17 390.78,291.17 392.8,289.15 392.8,275.04 389.49,271.73 389.49,270.39 389.42,270.32 v1(389.02,270.32)
S2_3TX_100DCH004-: length 122.5
  TOP w0.086: v1(324.22,269.08) 324.67,268.63 324.67,266.11 326.71,264.07 326.71,257.86 326.63,257.78 SITE2.121
  L30_SIGNAL w0.071: v1(390.16,270.32) 389.76,270.32 389.69,270.39 389.69,271.65 393,274.96 393,289.23 390.86,291.37 376.56,291.37 373.58,288.4 373.58,280.52 370.61,277.55 356.31,277.55 354.17,279.69 331.09,279.69 324.69,273.3 324.69,269.16 324.62,269.08 v1(324.22,269.08)
S2_3TX_100DCH005+: length 77
  TOP w0.086: SITE2.122 326.23,257.78 326.15,257.86 326.15,260.53 324.65,262.03 324.65,263.24 v1(325.11,263.69)
  L32_SIGNAL w0.071: v1(325.11,263.69) 324.7,263.69 324.63,263.62 324.63,262.65 324.13,262.14 322.94,262.14 322.46,262.62 322.46,264.48 334.44,276.46 369.74,276.46 376.03,282.74 376.03,283.84 375.96,283.91 v1(375.56,283.91)
S2_3TX_100DCH005-: length 76.4
  TOP w0.086: SITE2.123 325.83,257.78 325.91,257.86 325.91,260.44 324.42,261.93 324.42,263.24 v1(323.96,263.69)
  L32_SIGNAL w0.071: v1(323.96,263.69) 324.36,263.69 324.44,263.62 324.44,262.73 324.05,262.34 323.03,262.34 322.66,262.7 322.66,264.4 334.52,276.26 369.83,276.26 376.23,282.66 376.23,283.84 376.3,283.91 v1(376.7,283.91)
S2_3TX_100DCH006+: length 78.7
  TOP w0.086: v1(322.12,269.08) 321.66,268.63 321.66,266.13 322.87,264.93 322.87,262.13 325.35,259.65 325.35,257.86 325.43,257.78 SITE2.124
  L28_SIGNAL w0.071: v1(375.56,270.32) 375.96,270.32 376.03,270.39 376.03,271.63 370.48,277.18 326.72,277.18 321.64,272.1 321.64,269.16 321.71,269.08 v1(322.12,269.08)
S2_3TX_100DCH006-: length 79.3
  TOP w0.086: SITE2.125 325.03,257.78 325.11,257.86 325.11,259.55 322.63,262.03 322.63,264.83 321.43,266.04 321.43,268.63 v1(320.97,269.08)
  L28_SIGNAL w0.071: v1(376.7,270.32) 376.3,270.32 376.23,270.39 376.23,271.71 370.57,277.38 326.64,277.38 321.45,272.19 321.45,269.16 321.37,269.08 v1(320.97,269.08)
S2_3TX_100DCH007+: length 121.5
  TOP w0.086: SITE2.126 324.63,257.78 324.55,257.86 324.55,258.72 321.08,262.2 321.08,263.24 v1(321.53,263.69)
  L32_SIGNAL w0.071: v1(402.48,299.91) 402.88,299.91 402.95,299.98 402.95,301.42 402.46,301.92 383.57,301.92 379.96,298.31 362.98,298.31 353.92,289.25 353.92,281.27 351.62,278.97 325.46,278.97 319.99,273.51 319.99,267.73 321.06,266.66 321.06,263.76 321.13,263.69 v1(321.53,263.69)
S2_3TX_100DCH007-: length 122.1
  TOP w0.086: v1(320.39,263.69) 320.84,263.24 320.84,262.1 324.31,258.63 324.31,257.86 324.23,257.78 SITE2.127
  L32_SIGNAL w0.071: v1(320.39,263.69) 320.79,263.69 320.86,263.76 320.86,266.58 319.79,267.65 319.79,273.59 325.37,279.17 351.54,279.17 353.72,281.35 353.72,289.34 362.9,298.51 379.88,298.51 383.48,302.12 402.54,302.12 403.15,301.51 403.15,299.98 403.22,299.91 v1(403.63,299.91)
S2_4TX_100DCH001+: length 118.4
  TOP w0.086: SITE2.129 323.43,257.78 323.35,257.86 323.35,258.57 319.3,262.62 319.3,267.2 318.34,268.16 318.34,268.63 v1(318.79,269.08)
  L30_SIGNAL w0.071: v1(318.79,269.08) 318.39,269.08 318.32,269.16 318.32,276.39 325.43,283.5 330.06,283.5 339.32,292.76 398.1,292.76 402.95,287.9 402.95,286.39 402.88,286.32 v1(402.48,286.32)
S2_4TX_100DCH001-: length 119.1
  TOP w0.086: v1(317.64,269.08) 318.1,268.63 318.1,268.06 319.06,267.1 319.06,262.52 323.11,258.47 323.11,257.86 323.03,257.78 SITE2.130
  L30_SIGNAL w0.071: v1(403.63,286.32) 403.22,286.32 403.15,286.39 403.15,287.98 398.18,292.96 339.24,292.96 329.98,283.7 325.35,283.7 318.12,276.47 318.12,269.16 318.05,269.08 v1(317.64,269.08)
S2_4TX_100DCH002+: length 100.8
  TOP w0.086: v1(317.56,265.42) 317.11,264.97 317.11,263.7 322.55,258.26 322.55,257.86 322.63,257.78 SITE2.131
  L32_SIGNAL w0.071: v1(375.56,299.91) 375.96,299.91 376.03,299.98 376.03,301.23 374.57,302.69 365.11,302.69 352.68,290.26 352.68,282.98 350.03,280.33 320.62,280.33 315.97,275.67 315.97,268.58 317.09,267.46 317.09,265.49 317.16,265.42 v1(317.56,265.42)
S2_4TX_100DCH002-: length 101.4
  TOP w0.086: v1(316.42,265.42) 316.87,264.97 316.87,263.6 322.31,258.16 322.31,257.86 322.23,257.78 SITE2.132
  L32_SIGNAL w0.071: v1(376.7,299.91) 376.3,299.91 376.23,299.98 376.23,301.31 374.66,302.89 365.03,302.89 352.48,290.34 352.48,283.06 349.95,280.52 320.54,280.52 315.77,275.76 315.77,268.5 316.89,267.38 316.89,265.49 316.82,265.42 v1(316.42,265.42)
S2_4TX_100DCH003+: length 112.1
  TOP w0.086: v1(305.81,259.77) 306.27,259.32 311.06,259.32 317.23,253.15 317.6,253.15 317.68,253.23 SITE2.133
  L28_SIGNAL w0.071: v1(305.81,259.77) 305.81,259.37 305.74,259.3 304.38,259.3 303.92,259.76 303.92,264.9 321.07,282.05 341.09,282.05 352.41,293.37 370.54,293.37 376.03,287.88 376.03,286.39 375.96,286.32 v1(375.56,286.32)
S2_4TX_100DCH003-: length 113.1
  TOP w0.086: SITE2.134 317.68,252.83 317.6,252.91 317.13,252.91 310.96,259.08 306.27,259.08 v1(305.81,258.63)
  L28_SIGNAL w0.071: v1(376.7,286.32) 376.3,286.32 376.23,286.39 376.23,287.96 370.62,293.57 352.33,293.57 341.01,282.25 320.99,282.25 303.72,264.98 303.72,259.67 304.29,259.1 305.74,259.1 305.81,259.03 v1(305.81,258.63)
S2_4TX_100DCH004+: length 102.3
  TOP w0.086: v1(308.57,257.65) 309.02,257.2 311.68,257.2 316.53,252.35 317.6,252.35 317.68,252.43 SITE2.135
  L30_SIGNAL w0.071: v1(389.02,251.9) 389.42,251.9 389.49,251.83 389.49,250.52 385.38,246.41 357.48,246.41 355.37,248.51 349.49,248.51 340.83,257.18 308.64,257.18 308.57,257.25 v1(308.57,257.65)
S2_4TX_100DCH004-: length 102.7
  TOP w0.086: v1(308.57,256.51) 309.02,256.96 311.58,256.96 316.43,252.11 317.6,252.11 317.68,252.03 SITE2.136
  L30_SIGNAL w0.071: v1(308.57,256.51) 308.57,256.91 308.64,256.98 340.75,256.98 349.41,248.32 355.29,248.32 357.39,246.21 385.46,246.21 389.69,250.44 389.69,251.83 389.76,251.9 v1(390.16,251.9)
S2_4TX_100DCH005+: length 124
  TOP w0.086: v1(305.81,255.53) 306.27,255.08 312.64,255.08 316.17,251.55 317.6,251.55 317.68,251.63 SITE2.137
  L28_SIGNAL w0.071: v1(305.81,255.53) 305.81,255.13 305.74,255.06 304.33,255.06 303.86,255.52 303.86,256.41 304.57,257.11 305.98,257.11 307.44,258.57 310.34,258.57 313.31,255.6 341.17,255.6 349.91,246.86 349.91,239.76 355.83,233.84 378.29,233.84 384.65,240.2 388.57,240.2 389.49,239.28 389.49,238.39 389.42,238.32 v1(389.02,238.32)
S2_4TX_100DCH005-: length 125
  TOP w0.086: v1(305.81,254.39) 306.27,254.84 312.55,254.84 316.07,251.31 317.6,251.31 317.68,251.23 SITE2.138
  L28_SIGNAL w0.071: v1(305.81,254.39) 305.81,254.79 305.74,254.86 304.24,254.86 303.67,255.43 303.67,256.49 304.49,257.31 305.9,257.31 307.35,258.77 310.42,258.77 313.39,255.8 341.25,255.8 350.11,246.94 350.11,239.85 355.91,234.04 378.21,234.04 384.56,240.4 388.65,240.4 389.69,239.36 389.69,238.39 389.76,238.32 v1(390.16,238.32)
S2_4TX_100DCH006+: length 119.8
  TOP w0.086: v1(308.57,252.73) 309.02,252.28 312.03,252.28 313.96,250.35 317.6,250.35 317.68,250.43 SITE2.140
  L30_SIGNAL w0.071: v1(308.57,252.73) 308.57,252.33 308.64,252.26 327.32,252.26 329.12,250.47 343.87,250.47 349.19,245.15 349.19,241.98 351.08,240.09 358.64,240.09 361.2,242.64 395.29,242.64 402.95,250.31 402.95,251.83 402.88,251.9 v1(402.48,251.9)
S2_4TX_100DCH006-: length 120.1
  TOP w0.086: SITE2.141 317.68,250.03 317.6,250.11 313.86,250.11 311.93,252.04 309.02,252.04 v1(308.57,251.59)
  L30_SIGNAL w0.071: v1(308.57,251.59) 308.57,251.99 308.64,252.06 327.24,252.06 329.03,250.27 343.79,250.27 348.99,245.07 348.99,241.9 351,239.89 358.72,239.89 361.28,242.45 395.37,242.45 403.15,250.23 403.15,251.83 403.22,251.9 v1(403.63,251.9)
S2_4TX_100DCH007+: length 136.8
  TOP w0.086: v1(305.81,250.64) 306.27,250.19 312.4,250.19 313.04,249.55 317.6,249.55 317.68,249.63 SITE2.142
  L28_SIGNAL w0.071: v1(305.81,250.64) 305.81,250.24 305.74,250.16 304.48,250.16 303.84,249.53 303.84,248.55 304.39,248 306.66,248 309.21,250.55 344.27,250.55 348.89,245.93 348.89,238.56 356.78,230.66 390.52,230.66 400.38,240.52 402.09,240.52 402.95,239.65 402.95,238.39 402.88,238.32 v1(402.48,238.32)
S2_4TX_100DCH007-: length 136.5
  TOP w0.086: SITE2.143 317.68,249.23 317.6,249.31 312.94,249.31 312.3,249.95 306.27,249.95 v1(305.81,249.49)
  L28_SIGNAL w0.071: v1(403.63,238.32) 403.22,238.32 403.15,238.39 403.15,239.74 402.17,240.72 400.29,240.72 390.44,230.86 356.87,230.86 349.09,238.64 349.09,246.01 344.36,250.75 309.13,250.75 306.58,248.2 304.48,248.2 304.04,248.63 304.04,249.45 304.56,249.97 305.74,249.97 305.81,249.9 v1(305.81,249.49)
S2_AUX_100DCH002+:
  vias: v1(289.31,132.08)
S2_AUX_100DCH002-:
  vias: v1(286.77,132.08)
S2_AUXCH+: length 3.6
  TOP w0.203: v2(330.6,236.57) 330.23,236.2 SITE2.21
S2_AUXCH-: length 3.6
  TOP w0.203: v2(329.46,236.57) 329.83,236.2 SITE2.20
S2_AVDD11_RX: length 8.4
  TOP w0.231: 334.67,227.85 334.23,228.29 SITE2.31
  TOP w0.508: v1(336.77,225.75) 334.67,227.85
  vias: v1(336.77,223.71) v1(452.33,278.76) v1(452.33,276.86)
S2_AVDD11_XTAL: length 8.8
  TOP w0.231: SITE2.105 333.03,260.95 332.87,261.11 332.87,261.45
  TOP w0.381: 332.87,261.45 332.87,263.59 333.72,264.44 v1(333.72,264.54)
  vias: v1(333.72,266.58) v1(511.6,295.27) v1(511.6,293.37)
S2_AVDD18_RX: length 7.7
  TOP w0.231: SITE2.25 331.83,230.56 331.28,230.01
  TOP w0.508: 331.28,230.01 331.28,228.9 331.06,228.68 v1(331.06,225.75)
  vias: v1(331.06,223.71) v1(462.07,278.76) v1(462.07,276.86)
S2_DCH041: length 2.2
  TOP w0.231: v1(317.23,243.03) 317.43,242.83 SITE2.159
S2_DCH042: length 3.7
  TOP w0.231: SITE2.160 316.43,242.43 v1(315.83,243.03)
S2_DCH043: length 5.3
  TOP w0.231: v1(314.43,243.03) 315.44,242.03 SITE2.161
S2_DCH044: length 2.2
  TOP w0.231: v1(317.23,241.03) 317.43,241.23 SITE2.163
S2_DCH045: length 5.4
  TOP w0.231: v1(324.35,239.83) 323.35,240.83 SITE2.164
S2_DCH046: length 3.9
  TOP w0.231: v1(322.95,239.83) 322.35,240.43 SITE2.165
S2_DCH047: length 2.3
  TOP w0.231: v1(321.56,239.83) 321.36,240.03 SITE2.166
S2_DCH048:
  vias: v1(309.05,276.97)
S2_DCH049:
  vias: v1(309.05,271.67)
S2_DPS_F_001:
  vias: v1(92.04,249.81) v1(92.04,247.9) v1(287.77,130.81) v1(301.73,227.84)
S2_DPS_F_002: length 10.1
  TOP w0.231: 320.65,229.55 321.72,229.55 323.03,230.86 SITE2.3
  TOP w0.508: 320.65,229.55 317.98,226.88 v1(317.98,225.75)
  vias: v1(316.32,222.9) v1(317.98,223.71) v1(462.07,295.27) v1(462.07,293.37)
S2_DPS_F_003: length 63.1
  TOP w0.231: 347.84,245.53 346.94,246.43 SITE2.71 ; 345.2,242.93 344.9,243.23 SITE2.63 ; SITE2.145 313.08,248.43 312.83,248.18 ; SITE2.37 336.63,231.59 338.57,229.66 339.73,229.66 ; 314.63,241.63 SITE2.162 ; SITE2.107 332.23,260.11 331.69,260.65 331.69,261.16 ; SITE2.17 328.63,229.5 329.28,228.85
  TOP w0.381: v1(331.94,264.54) 331.69,264.28 331.69,261.16
  TOP w0.508: v1(351.22,243.91) 349.45,243.91 347.84,245.53 ; v1(311.44,247.93) 312.58,247.93 312.83,248.18 ; v1(311.44,243.41) 312.59,243.41 314.37,241.63 314.63,241.63 ; v1(342.36,225.75) 342.36,227.02 339.73,229.66 ; v1(329.28,225.75) 329.28,228.85 ; 345.2,242.93 345.45,242.67 346.8,242.67 348.11,241.37 v1(351.22,241.37)
  vias: v1(309.4,247.93) v1(309.4,243.41) v1(329.28,223.71) v1(331.54,252.61) v1(331.94,266.58) v1(342.36,223.71) v1(353.27,243.91) v1(353.27,241.37) v1(452.33,295.27) v1(452.33,293.37) v1(464.57,235.71)
S2_DPS_F_006: length 9.6
  TOP w0.231: SITE2.72 347.92,246.83 348.55,246.19
  TOP w0.508: v1(351.22,245.18) 349.56,245.18 348.55,246.19
  vias: v1(339,246.67) v1(353.27,245.18) v1(478.58,278.76) v1(478.58,276.86)
S2_DPS_F_007: length 19
  TOP w0.231: v1(339.65,264.54) 339.65,264.13 336.23,260.71 SITE2.97 ; 344.37,249.01 344.15,249.23 SITE2.78
  TOP w0.508: v1(351.22,249.5) 350.8,249.5 350.31,249.01 344.37,249.01
  vias: v1(339.65,266.58) v1(353.27,249.5) v1(495.09,278.76) v1(495.09,276.86)
S2_DPS_F_009: length 8.8
  TOP w0.231: SITE2.106 332.63,260.53 332.26,260.9 332.26,261.12
  TOP w0.381: 332.26,261.12 332.26,263.82 332.83,264.39 v1(332.83,264.54)
  vias: v1(332.83,266.58) v1(333.61,267.66) v1(478.58,295.27) v1(478.58,293.37)
S2_DPS_F_010: length 8.6
  TOP w0.231: 331.05,261.13 331.05,260.57 330.63,260.15 SITE2.111
  TOP w0.381: 331.05,261.13 v1(331.05,264.54)
  vias: v1(330.34,253.59) v1(331.05,266.58) v1(468.84,295.27) v1(468.84,293.37)
S2_DPS_F_011: length 17.6
  TOP w0.231: SITE2.139 314.87,250.83 312.01,253.69 v1(311.44,253.69) ; SITE2.119 327.43,257.79 327.64,258.01
  TOP w0.508: v1(327.57,264.54) 327.64,264.47 327.64,258.01
  vias: v1(309.4,253.69) v1(327.57,266.58) v1(485.35,278.76) v1(485.35,276.86)
S2_DPS_F_012: length 8
  TOP w0.231: 312.2,248.83 SITE2.144
  TOP w0.508: 312.2,248.83 311.81,248.83 v1(311.44,249.2)
  vias: v1(309.4,249.2) v1(468.84,278.76) v1(468.84,276.86)
S2_DPS_F_013:
  vias: v1(87.17,249.86) v1(87.17,247.96) v1(452.62,232.41) v1(452.62,224.79) v1(457.25,233.88) v1(474.87,217.23) v1(474.89,204.98) v1(474.99,218.59) v1(475.99,230.78) v1(478.43,217.17) v1(478.43,204.98) v1(478.53,230.78) v1(478.53,218.59) v1(480.97,204.98) v1(481.07,218.59) v1(482.1,241.3) v1(482.1,233.68) v1(483.51,204.98) v1(483.61,218.59) v1(489.86,212.91) v1(490.1,226.67)
S2_ISP00+: length 86.6
  TOP w0.086: v1(353.81,245.88) 353.35,246.33 350.29,246.33 349.31,247.31 344.06,247.31 343.98,247.23 SITE2.73
  L30_SIGNAL w0.071: v1(386.29,259.59) 386.29,260.94 386.22,261.01 381.57,261.01 379.76,259.2 379.76,257.34 381.79,255.3 391.12,255.3 392.89,253.53 392.89,249.22 387.91,244.23 357.27,244.23 355.16,246.35 353.88,246.35 353.81,246.28 v1(353.81,245.88)
  BOTTOM w0.119: v1(386.29,259.59) UNK2K43.7
S2_ISP00-: length 86.6
  TOP w0.086: v1(353.81,247.02) 353.35,246.57 350.39,246.57 349.41,247.55 344.06,247.55 343.98,247.63 SITE2.74
  L30_SIGNAL w0.071: v1(386.29,262.63) 386.29,261.28 386.22,261.21 381.49,261.21 379.56,259.28 379.56,257.25 381.71,255.11 391.04,255.11 392.69,253.45 392.69,249.3 387.82,244.43 357.35,244.43 355.24,246.55 353.88,246.55 353.81,246.62 v1(353.81,247.02)
  BOTTOM w0.119: v1(386.29,262.63) UNK2K43.2
S2_ISP14+: length 137.8
  TOP w0.086: v1(331.93,269.9) 331.48,269.45 331.48,267.92 330.15,266.59 330.15,257.86 330.23,257.78 SITE2.112
  L28_SIGNAL w0.071: v1(331.93,269.9) 331.53,269.9 331.46,269.83 331.46,268.27 330.18,266.99 330.18,263.09 334.92,258.35 342.04,258.35 347.72,252.67 354.79,252.67 356.71,254.59 360.18,254.59 367.29,247.47 404.65,247.47 407.37,250.19 407.37,257.24 403.6,261.01 390.76,261.01 390.69,260.94 v1(390.69,257.11)
S2_ISP14-: length 138.8
  TOP w0.086: v1(330.79,269.9) 331.24,269.45 331.24,268.02 329.91,266.69 329.91,257.86 329.83,257.78 SITE2.113
  L28_SIGNAL w0.071: v1(330.79,269.9) 331.19,269.9 331.26,269.83 331.26,268.35 329.98,267.07 329.98,263.01 334.84,258.16 341.95,258.16 347.64,252.47 354.88,252.47 356.79,254.39 360.09,254.39 367.21,247.27 404.73,247.27 407.57,250.11 407.57,257.33 403.68,261.21 390.76,261.21 390.69,261.28 v1(390.69,265.11)
S2_ISP_1LOCK:
  vias: v1(309.91,245.39)
S2_M_DPS_F_001: length 45.2
  TOP w0.231: 340.57,230.37 338.54,230.37 337.43,231.49 SITE2.39 ; SITE2.104 333.43,263.21 ; 313.24,247.18 313.7,247.63 SITE2.147 ; 330.63,230.54 SITE2.22 ; 346.49,243.63 SITE2.64
  TOP w0.381: v1(334.61,264.54) 334.61,264.39 333.43,263.21
  TOP w0.508: v1(343.63,225.75) 343.63,227.31 340.57,230.37 ; v1(351.22,242.64) 348.48,242.64 347.49,243.63 346.49,243.63 ; v1(330.17,225.75) 330.17,228.96 330.38,229.17 330.38,230.28 330.63,230.54 ; 313.24,247.18 312.72,246.66 v1(311.44,246.66)
  vias: v1(309.4,246.66) v1(330.17,223.71) v1(334.61,266.58) v1(343.63,223.71) v1(353.27,242.64) v1(485.35,295.27) v1(485.35,293.37)
S2_PS9G_DCH001: length 3.7
  TOP w0.231: v1(329.63,229.63) 329.03,230.23 SITE2.18
S2_PS9G_DCH002: length 2.2
  TOP w0.231: v1(329.63,231.03) 329.43,231.23 SITE2.19
S2_PS9G_DCH003: length 2.2
  TOP w0.231: SITE2.24 331.43,231.23 v1(331.23,231.03)
S2_PS9G_DCH004: length 2.2
  TOP w0.231: v1(337.63,235.23) 337.83,235.03 SITE2.40
S2_PS9G_DCH005: length 2.2
  TOP w0.231: SITE2.45 344.23,236.03 v1(344.43,235.83)
S2_PS9G_DCH006: length 3.7
  TOP w0.231: v1(345.83,235.83) 345.23,236.43 SITE2.46
S2_PS9G_DCH007: length 5.3
  TOP w0.231: v1(347.22,235.83) 346.22,236.83 SITE2.47
S2_PS9G_DCH009: length 2.2
  TOP w0.231: v1(344.43,237.43) 344.23,237.63 SITE2.49
S2_PS9G_DCH010: length 3.7
  TOP w0.231: v1(345.83,237.43) 345.23,238.03 SITE2.50
S2_PS9G_DCH011: length 5.3
  TOP w0.231: SITE2.51 346.22,238.43 v1(347.22,237.43)
S2_PS9G_DCH014: length 3.7
  TOP w0.231: v1(345.83,239.03) 345.23,239.63 SITE2.54
S2_PS9G_DCH015: length 5.3
  TOP w0.231: v1(347.22,239.03) 346.22,240.03 SITE2.55
S2_PS9G_DCH022: length 5.3
  TOP w0.231: SITE2.65 346.05,244.03 347.05,245.03 v1(347.22,245.03)
S2_PS9G_DCH023: length 2.5
  TOP w0.231: SITE2.66 344.03,244.43 344.43,244.83 v1(344.43,245.03)
S2_PS9G_DCH027: length 3.9
  TOP w0.231: v1(345.83,245.03) 344.83,246.03 SITE2.70
S2_PS9G_DCH028: length 2.3
  TOP w0.231: v1(340.23,248.46) 340.6,248.83 SITE2.77
S2_PS9G_DCH029: length 2.2
  TOP w0.119: SITE2.118 v1(327.83,253.92)
S2_PS9G_DCH030: length 9.2
  TOP w0.231: v1(310.91,245.39) 312.63,245.39 314.16,246.91 317.3,246.91 317.62,247.23 SITE2.148
S2_PS9G_DCH035: length 5.3
  TOP w0.231: v1(314.43,246.23) 315.44,245.23 SITE2.153
S2_PS9G_DCH036: length 2.2
  TOP w0.231: v1(321.43,245.03) 321.23,244.83 SITE2.154
S2_PS9G_DCH037: length 2.2
  TOP w0.231: SITE2.155 317.43,244.43 v1(317.23,244.63)
S2_PS9G_DCH038: length 3.7
  TOP w0.231: SITE2.156 316.43,244.03 v1(315.83,244.63)
S2_PS9G_DCH039: length 5.3
  TOP w0.231: SITE2.157 315.44,243.63 v1(314.43,244.63)
S2_PS9G_DCH040: length 2.2
  TOP w0.231: SITE2.158 321.23,243.23 v1(321.43,243.43)
S2_RLY_001:
  vias: v1(369.38,241.11) v1(410.52,289.12)
S2_RLY_003:
  vias: v1(369.38,257.11) v1(396.55,257.37)
S2_RLY_005:
  vias: v1(410.27,257.37) v1(410.52,273.37)
S2_RLY_007:
  vias: v1(396.55,273.11)
S2_RLY_008:
  vias: v1(383.09,289.12) v1(383.09,273.11)
S2_RLY_016:
  vias: v1(369.63,273.11) v1(396.55,289.12)
S2_RLY_018:
  vias: v1(312.25,276.97)
S2_RLY_021:
  vias: v1(369.63,289.12) v1(383.09,241.11)
S2_RLY_022:
  vias: v1(389.7,209.36) v1(396.55,225.11)
S2_RLY_023:
  vias: v1(403.41,209.61)
S2_RLY_025:
  vias: v1(383.09,224.85) v1(410.52,241.11)
S2_RLY_026:
  vias: v1(369.38,224.6)
S2_RLY_030:
  vias: v1(396.55,241.11)
S2_RLY_043:
  vias: v1(383.09,257.11)
S2_SCAN_DCH008: length 2.2
  TOP w0.231: v1(340.23,237.03) 340.43,237.23 SITE2.48
S2_SCAN_DCH012: length 2.2
  TOP w0.231: SITE2.52 340.43,238.83 v1(340.23,238.63)
S2_SCAN_DCH013: length 2.2
  TOP w0.231: SITE2.53 344.23,239.23 v1(344.43,239.03)
S2_SCAN_DCH016: length 2.2
  TOP w0.231: v1(340.23,240.23) 340.43,240.43 SITE2.56
S2_SCAN_DCH017: length 2.2
  TOP w0.231: SITE2.57 344.23,240.83 v1(344.43,240.63)
S2_SCAN_DCH018: length 3.7
  TOP w0.231: SITE2.58 345.23,241.23 v1(345.83,240.63)
S2_SCAN_DCH019: length 5.3
  TOP w0.231: SITE2.59 346.22,241.63 v1(347.22,240.63)
S2_SCAN_DCH020: length 2.2
  TOP w0.231: v1(340.23,241.83) 340.43,242.03 SITE2.60
S2_SCAN_DCH021: length 2.2
  TOP w0.231: v1(344.43,242.23) 344.23,242.43 SITE2.61
S2_SCAN_DCH024: length 2.2
  TOP w0.231: SITE2.67 340.43,244.83 v1(340.23,244.63)
S2_SCAN_DCH025: length 3.7
  TOP w0.231: v1(338.83,244.63) 339.43,245.23 SITE2.68
S2_SCAN_DCH026: length 5.3
  TOP w0.231: v1(337.44,244.63) 338.44,245.63 SITE2.69
S2_SCAN_DCH031: length 3.7
  TOP w0.231: SITE2.149 322.23,246.83 v1(322.83,247.43)
S2_SCAN_DCH032: length 5.3
  TOP w0.231: v1(324.22,247.43) 323.22,246.43 SITE2.150
S2_SCAN_DCH033: length 2.2
  TOP w0.231: SITE2.151 317.43,246.03 v1(317.23,246.23)
S2_SCAN_DCH034: length 3.7
  TOP w0.231: v1(315.83,246.23) 316.43,245.63 SITE2.152
S2_SPI_1_CSN:
  vias: v1(474.99,230.78)
S2_SPI_1_SCK:
  vias: v1(480.07,218.59)
S2_SPI_1_SDI:
  vias: v1(456.19,217.17)
S2_SPI_1_SDO:
  vias: v1(455.94,209.55)
S2_SPI_2_CSN:
  vias: v1(475.87,217.23)
S2_SPI_2_SCK:
  vias: v1(479.97,204.98)
S2_SPI_2_SDI:
  vias: v1(451.62,217.17)
S2_SPI_2_SDO:
  vias: v1(451.87,209.55)
S2_SPI_11_SDI:
  vias: v1(457.19,217.17) v1(477.53,230.78)
S2_SPI_11_SDO:
  vias: v1(456.94,209.55) v1(482.61,218.59)
S2_SPI_22_SDI:
  vias: v1(452.62,217.17) v1(477.43,217.17)
S2_SPI_22_SDO:
  vias: v1(452.87,209.55) v1(482.51,204.98)
S2_SPI_CSN: length 2.2
  TOP w0.231: SITE2.43 339.03,231.23 v1(339.23,231.03)
S2_SPI_SCK: length 2.2
  TOP w0.231: SITE2.42 338.63,235.03 v1(338.83,235.23)
S2_SPI_SDI: length 3.7
  TOP w0.231: SITE2.44 339.43,236.03 v1(338.83,236.63)
S2_SPI_SDO: length 3.7
  TOP w0.231: SITE2.41 338.23,236.03 v1(337.63,236.63)
S2_XTAL_IN: length 2.5
  TOP w0.119: v1(331.63,258.51) 331.43,258.31 SITE2.109
  vias: v1(306.85,271.67)
S2_XTAL_OUT: length 3.7
  TOP w0.231: v1(331.63,259.63) 331.03,259.03 SITE2.110
  vias: v1(306.85,276.97)
S3_1AUX+:
  vias: v1(221.73,169.11)
S3_1AUX-:
  vias: v1(218.45,169.11)
S3_1TX_100DCH001+: length 16.5
  L32_SIGNAL w0.071: v1(186.95,176.66) 188.3,176.66 188.37,176.59 188.37,175.52 187.78,174.93 186.19,174.93 184.7,176.43 181.27,176.43 180.5,175.66 178.57,175.66 178.5,175.73 v1(178.5,176.13)
  BOTTOM w0.119: v1(186.95,176.66) UNK3K43.6
S3_1TX_100DCH001-: length 16.8
  L32_SIGNAL w0.071: v1(189.99,176.66) 188.64,176.66 188.57,176.59 188.57,175.44 187.86,174.74 186.11,174.74 184.62,176.23 181.35,176.23 180.59,175.46 178.57,175.46 178.5,175.39 v1(178.5,174.99)
  BOTTOM w0.119: v1(189.99,176.66) UNK3K43.3
S3_1TX_100DCH002+: length 145.8
  TOP w0.086: SITE3.75 263.98,188.03 264.06,188.11 277.07,188.11 v1(277.52,187.66)
  L32_SIGNAL w0.071: v1(164.91,176.13) 164.91,175.73 164.84,175.66 163.75,175.66 163.25,176.16 163.25,181.42 166.39,184.55 209.65,184.55 213.03,181.17 223.32,181.17 226.46,184.31 232.35,184.31 232.93,184.89 232.93,186.84 235.96,189.87 264.1,189.87 265.84,188.13 277.45,188.13 277.52,188.06 v1(277.52,187.66)
S3_1TX_100DCH002-: length 146.5
  TOP w0.086: SITE3.76 263.98,188.43 264.06,188.35 277.07,188.35 v1(277.52,188.8)
  L32_SIGNAL w0.071: v1(164.91,174.99) 164.91,175.39 164.84,175.46 163.66,175.46 163.05,176.07 163.05,181.5 166.3,184.75 209.73,184.75 213.12,181.37 223.24,181.37 226.38,184.51 232.27,184.51 232.73,184.97 232.73,186.92 235.88,190.07 264.18,190.07 265.93,188.33 277.45,188.33 277.52,188.4 v1(277.52,188.8)
S3_1TX_100DCH003+: length 88.7
  TOP w0.086: SITE3.79 263.98,189.63 264.06,189.71 269.05,189.71 269.94,190.59 273.35,190.59 v1(273.81,190.14)
  L30_SIGNAL w0.071: v1(273.81,190.14) 273.81,190.54 273.74,190.61 265.61,190.61 262.18,187.18 262.18,170.11 258.31,166.24 258.31,145.1 251.97,138.76 251.97,132.35 250.33,130.71 250.33,129.42 250.4,129.35 v1(250.81,129.35)
S3_1TX_100DCH003-: length 89
  TOP w0.086: v1(273.81,191.28) 273.35,190.83 269.84,190.83 268.95,189.95 264.06,189.95 263.98,190.03 SITE3.80
  L30_SIGNAL w0.071: v1(273.81,191.28) 273.81,190.88 273.74,190.81 265.53,190.81 261.98,187.26 261.98,170.19 258.11,166.33 258.11,145.18 251.77,138.84 251.77,132.43 250.14,130.79 250.14,129.42 250.06,129.35 v1(249.66,129.35)
S3_1TX_100DCH004+: length 92.8
  TOP w0.086: v1(277.52,192.08) 277.07,192.53 270.02,192.53 267.99,190.51 264.06,190.51 263.98,190.43 SITE3.81
  L28_SIGNAL w0.071: v1(277.52,192.08) 277.52,192.48 277.59,192.55 278.55,192.55 280.57,190.54 280.57,156.21 268.92,144.56 258.2,144.56 255.21,141.56 250.75,141.56 250.33,141.98 250.33,142.87 250.4,142.94 v1(250.81,142.94)
S3_1TX_100DCH004-: length 93.7
  TOP w0.086: v1(277.52,193.22) 277.07,192.77 269.92,192.77 267.9,190.75 264.06,190.75 263.98,190.83 SITE3.82
  L28_SIGNAL w0.071: v1(277.52,193.22) 277.52,192.82 277.59,192.75 278.64,192.75 280.77,190.62 280.77,156.13 269,144.36 258.29,144.36 255.29,141.36 250.67,141.36 250.14,141.9 250.14,142.87 250.06,142.94 v1(249.66,142.94)
S3_1TX_100DCH005+: length 86.9
  TOP w0.086: SITE3.83 263.98,191.23 264.06,191.31 266.61,191.31 269.53,194.22 273.35,194.22 v1(273.81,193.77)
  L30_SIGNAL w0.071: v1(273.81,193.77) 273.81,194.17 273.88,194.24 275.35,194.24 276.4,193.19 276.4,162.62 265.3,151.51 265.3,131.72 264.18,130.61 263.66,130.61 263.29,130.97 263.29,132.33 263.36,132.4 v1(263.76,132.4)
S3_1TX_100DCH005-: length 87.9
  TOP w0.086: v1(273.81,194.92) 273.35,194.46 269.43,194.46 266.51,191.55 264.06,191.55 263.98,191.63 SITE3.84
  L30_SIGNAL w0.071: v1(273.81,194.92) 273.81,194.51 273.88,194.44 275.43,194.44 276.6,193.27 276.6,162.54 265.49,151.43 265.49,131.63 264.27,130.41 263.57,130.41 263.09,130.89 263.09,132.33 263.02,132.4 v1(262.62,132.4)
